# Altium PCB Lombardo_RevB.PcbDoc (part 1 of 2) (continued)
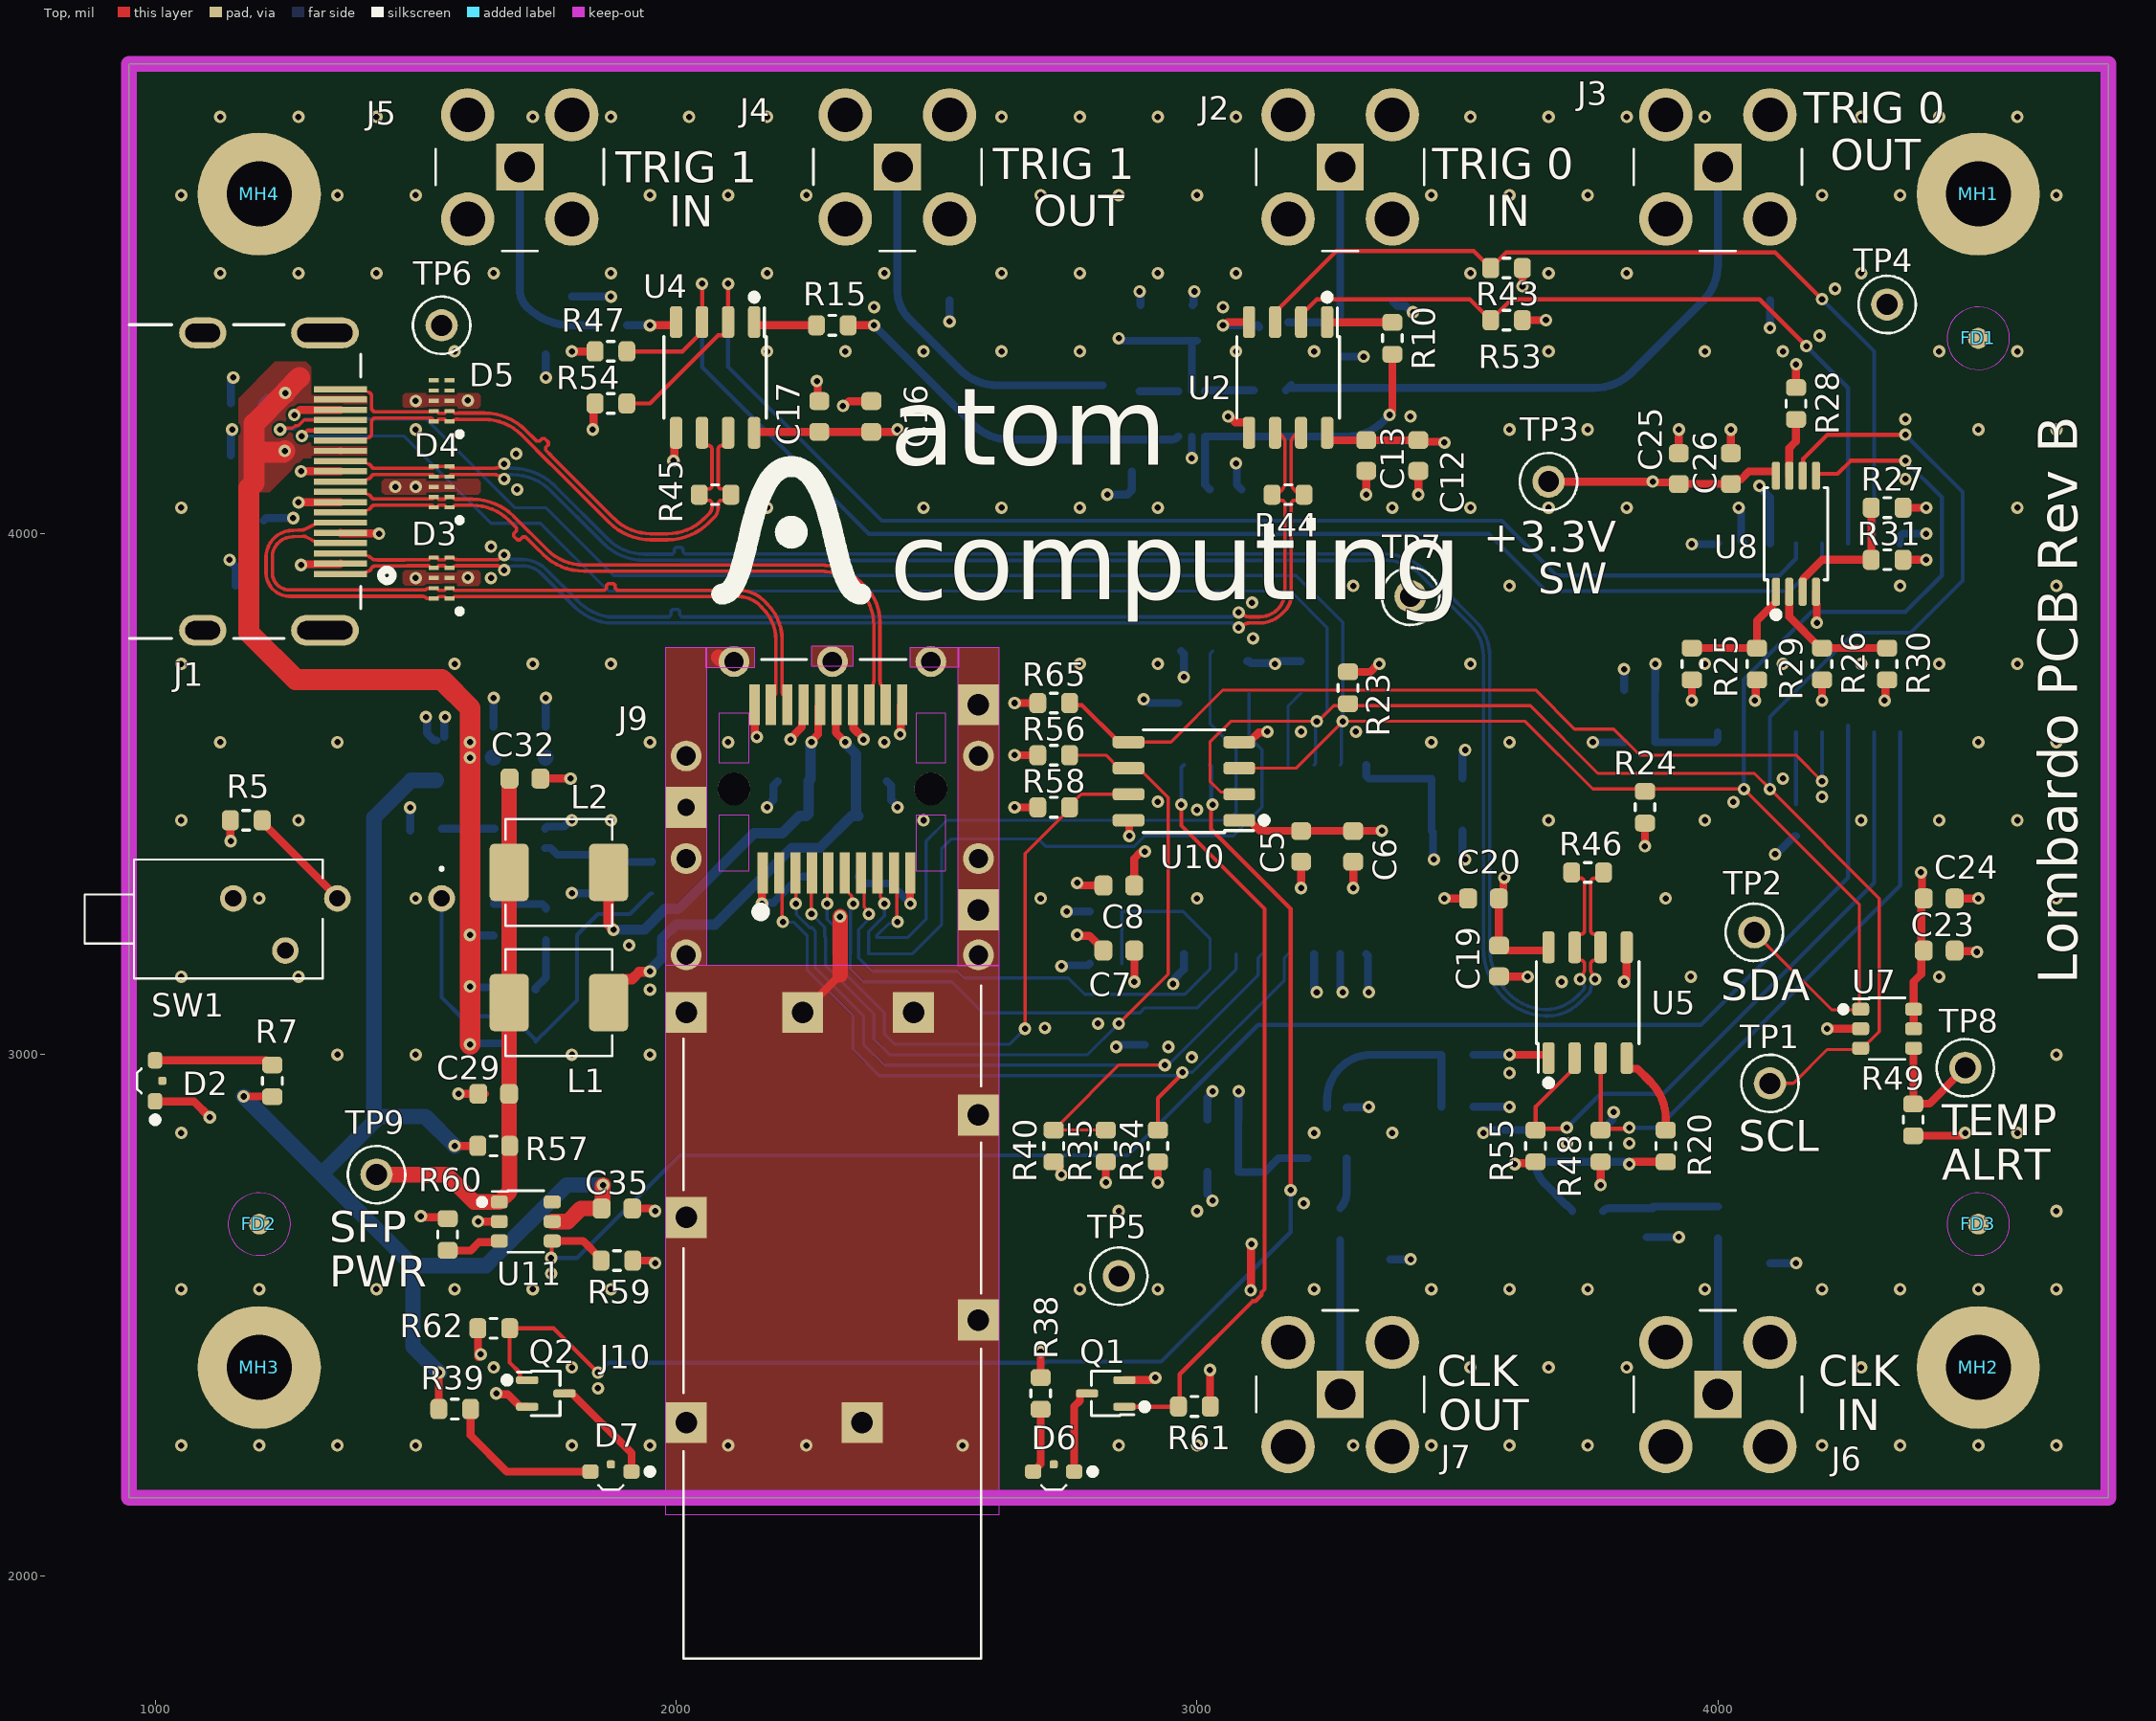
[diagram p0: Top view]
## Design rules (kind name [scope] priority, off if disabled: settings) (continued)
Width Width_P-G [InNetClass('P-G')] p2: maxlimit=50 minlimit=15 preferedwidth=15 minimp=50.000000 maximp=50.000000 favimp=50.000000
Width [All] p3: maxlimit=15 minlimit=5 preferedwidth=8 minimp=50.000000 maximp=50.000000 favimp=50.000000
16 further rules are at their usual default settings.

## Classes and differential pairs
net class DIFFP: HDMI_MGT_CLK_P HDMI_MGT_RX_P HDMI_MGT_TX_P HDMI_TRIGGER_0_P HDMI_TRIGGER_1_P
net class DIFFN: HDMI_MGT_CLK_N HDMI_MGT_RX_N HDMI_MGT_TX_N HDMI_TRIGGER_0_N HDMI_TRIGGER_1_N
net class 50OHM: HDMI_MGT_CLK_IN HDMI_MGT_CLK_IN_TERM HDMI_MGT_CLK_OUT HDMI_MGT_CLK_OUT_BUF HDMI_TRIGGER_0_IN HDMI_TRIGGER_0_OUT HDMI_TRIGGER_0_OUT_BUF HDMI_TRIGGER_1_IN HDMI_TRIGGER_1_OUT HDMI_TRIGGER_1_OUT_BUF NetC18_2 NetR9_1 NetR10_1 NetR12_1 NetR13_1 NetR14_1 NetR15_1 NetR20_1 NetR21_1 NetR22_1
differential pair class 100DIFF: HDMI_MGT_CLK HDMI_MGT_CLK_C HDMI_MGT_RX HDMI_MGT_RX_C HDMI_MGT_TX HDMI_MGT_TX_C HDMI_TRIGGER_0 HDMI_TRIGGER_1
net class P-G: +3.3V +3.3V_SW GND NetC29_1 NetC30_1 NetC33_1 SH_GND
component class SFP_TEMP_EEPROM_GPIO: C5 C6 C7 C8 C23 C24 C25 C26 C27 C28 C29 C30 C31 C32 C33 C34 C35 C415 C416 D6 D7 D14 J9 J10 L1 L2 Q1 Q2 R23 R24 R25 R26 R27 R28 R29 R30 R31 R32 R33 R34 R35 R36 R37 R38 R39 R40 R41 R42 R49 R56 R57 R58 R59 R60 R61 R62 R64 R65 R539 TP8 TP9 U7 U8 U9 U10 U11 U46
component class HDMI_CONN_POWER_IN: C1 C2 C3 C4 C9 C10 C11 D1 D2 D3 D4 D5 J1 R1 R2 R3 R4 R5 R6 R7 R8 SW1 TP1 TP2 TP3 TP4 TP5 TP6 TP7 U1
component class CLOCK_TRIGGER_BUF_SMA: C12 C13 C14 C15 C16 C17 C18 C19 C20 C21 C22 C36 C37 C38 C39 C40 C41 D8 D9 D10 D11 D12 D13 J2 J3 J4 J5 J6 J7 R9 R10 R11 R12 R13 R14 R15 R16 R17 R18 R19 R20 R21 R22 R43 R44 R45 R46 R47 R48 R50 R51 R52 R53 R54 R55 R63 U2 U3 U4 U5 U6
component class BLOCK_DIAGRAM_TABLE_OF_SHEETS: FD1 FD2 FD3 FD4 FD5 FD6 MH1 MH2 MH3 MH4
differential pair HDMI_MGT_CLK: +HDMI_MGT_CLK_P -HDMI_MGT_CLK_N
differential pair HDMI_TRIGGER_1: +HDMI_TRIGGER_1_P -HDMI_TRIGGER_1_N
differential pair HDMI_TRIGGER_0: +HDMI_TRIGGER_0_P -HDMI_TRIGGER_0_N
differential pair HDMI_MGT_TX: +HDMI_MGT_TX_P -HDMI_MGT_TX_N
differential pair HDMI_MGT_RX: +HDMI_MGT_RX_P -HDMI_MGT_RX_N

## Components (designator, comment, footprint, x,y, rotation, side; value= is the part's Value field where it differs from the comment)
C1 "1µF" CAPC160X80X95L35 1175,4150 r180 bottom
C2 "100nF" CAPC160X80X95L35 1175,4250 r180 bottom
C3 "1nF" CAPC160X80X95L35 1125,3900 r0 bottom
C4 "100nF" CAPC160X80X95L35 1853.9,3340 r270 bottom
C5 "100nF" CAPC160X80X95L35 3200,3400 r270 top
C6 "1µF" CAPC160X80X95L35 3300,3400 r270 top
C7 "1µF" CAPC160X80X95L35 2850,3200 r180 top
C8 "100nF" CAPC160X80X95L35 2850,3325 r180 top
C9 "1µF" CAPC160X80X95L35 1650,3600 r90 bottom
C10 "100nF" CAPC160X80X95L35 1750,3600 r90 bottom
C11 "DNP" CAPC200X125X145L50 1540,3560 r90 bottom value=100p
C12 "1µF" CAPC160X80X95L35 3425,4150 r270 top
C13 "100nF" CAPC160X80X95L35 3325,4150 r270 top
C14 "1µF" CAPC160X80X95L35 2900,4400 r90 bottom
C15 "100nF" CAPC160X80X95L35 3000,4400 r90 bottom
C16 "1µF" CAPC160X80X95L35 2375,4225 r90 top
C17 "100nF" CAPC160X80X95L35 2275,4225 r90 top
C18 "100nF" CAPC160X80X95L35 3750,2700 r0 bottom
C19 "1µF" CAPC160X80X95L35 3580,3180 r270 top
C20 "100nF" CAPC160X80X95L35 3550,3300 r180 top
C21 "1µF" CAPC160X80X95L35 3050,2875 r180 bottom
C22 "100nF" CAPC160X80X95L35 3050,2775 r180 bottom
C23 "100nF" CAPC160X80X95L35 4425,3200 r0 top
C24 "1µF" CAPC160X80X95L35 4425,3300 r0 top
C25 "10nF" CAPC160X80X95L35 3925,4125 r90 top
C26 "1µF" CAPC160X80X95L35 4025,4125 r90 top
C27 "100nF" CAPC160X80X95L35 3850,3600 r180 bottom
C28 "1µF" CAPC160X80X95L35 3850,3700 r180 bottom
C29 "100nF" CAPC160X80X95L35 1650,2925 r180 top
C30 "22µF" CAPC320X160X90L50 2350,3400 r270 bottom
C31 "100nF" CAPC160X80X95L35 2375,3525 r0 bottom
C32 "100nF" CAPC160X80X95L35 1710,3530 r0 top
C33 "22µF" CAPC320X160X90L50 2250,3400 r270 bottom
C34 "100nF" CAPC160X80X95L35 2225,3525 r180 bottom
C35 "1µF" CAPC160X80X95L35 1886.52,2705 r0 top
C36 "1nF" CAPC160X80X95L35 3375,4475 r90 bottom
C37 "1nF" CAPC160X80X95L35 4100,4475 r90 bottom
C38 "1nF" CAPC160X80X95L35 2525,4477.4 r90 bottom
C39 "1nF" CAPC160X80X95L35 1800,4485 r90 bottom
C40 "1nF" CAPC160X80X95L35 4100,2575 r270 bottom
C41 "1nF" CAPC160X80X95L35 3375,2575 r270 bottom
C415 "100nF" CAPC160X80X95L35 3480,3530 r0 bottom
C416 "1µF" CAPC160X80X95L35 3480,3430 r180 bottom
D1 "RED" LEDSC80X160X55L40X70_C1A2 1750,3250 r270 bottom
D2 "HSME-C120" BROADCOM_HSMX-C120 1000,2950 r270 top value=GREEN
D3 "PUSB3AB4Z" NEXPERIA_PUSB3AB4Z 1550,3915 r180 top
D4 "PUSB3AB4Z" NEXPERIA_PUSB3AB4Z 1550,4090 r180 top
D5 "PUSB3AB4Z" NEXPERIA_PUSB3AB4Z 1550,4255 r180 top
D6 "GREEN" BROADCOM_HSMX-C120 2725,2200 r0 top
D7 "AMBER" BROADCOM_HSMX-C120 1875,2200 r0 top
D8 "PESD3V3Z1BCSFYL" DIO_PESD5V0R1BSFYL 3285,4500 r180 bottom
D9 "PESD3V3Z1BCSFYL" DIO_PESD5V0R1BSFYL 4010,4500 r180 bottom
D10 "PESD3V3Z1BCSFYL" DIO_PESD5V0R1BSFYL 2435,4500 r180 bottom
D11 "PESD3V3Z1BCSFYL" DIO_PESD5V0R1BSFYL 1710,4500 r180 bottom
D12 "PESD3V3Z1BCSFYL" DIO_PESD5V0R1BSFYL 4010,2552 r180 bottom
D13 "PESD3V3Z1BCSFYL" DIO_PESD5V0R1BSFYL 3285,2552 r180 bottom
D14 "DT1240A-08LP3810-7" DIODES_DT1240A-08LP3810-7 2318.5,3209.25 r270 bottom
FD1 "FIDUCIAL" FIDUCIAL-GT 4500,4375 r0 top
FD2 "FIDUCIAL" FIDUCIAL-GT 1200,2675 r0 top
FD3 "FIDUCIAL" FIDUCIAL-GT 4500,2675 r0 top
FD4 "FIDUCIAL" FIDUCIAL-GT 4500,4375 r180 bottom
FD5 "FIDUCIAL" FIDUCIAL-GT 4500,2675 r180 bottom
FD6 "FIDUCIAL" FIDUCIAL-GT 1200,2675 r180 bottom
J1 "2086581061" MOLEX_2086581061 950,4100 r270 top
J2 "132203" Amphenol_132203 3275,4950 r270 top locked
J3 "132203" Amphenol_132203 4000,4950 r270 top locked
J4 "132203" Amphenol_132203 2425,4950 r270 top locked
J5 "132203" Amphenol_132203 1700,4950 r270 top locked
J6 "132203" Amphenol_132203 4000,2102 r90 top
J7 "132203" Amphenol_132203 3275,2102 r90 top
J9 "UE76-A20-2000T" AMPHENOL_UX76-A20-X00XX 2300.2,3510.4 r0 top
J10 "2110304-1" TE_2110304-1_NO_KEEPOUT 2300,3475 r90 top
L1 "4.7µH" VISHAY_IHLP-2020BZ 1775,3100 r0 top
L2 "4.7µH" VISHAY_IHLP-2020BZ 1775,3350 r0 top
MH1 "HOLE- #4" "HOLE - #4 screw" 4500,4652 r0 top locked
MH2 "HOLE- #4" "HOLE - #4 screw" 4500,2400 r0 top locked
MH3 "HOLE- #4" "HOLE - #4 screw" 1200,2400 r0 top locked
MH4 "HOLE- #4" "HOLE - #4 screw" 1200,4652 r0 top locked
Q1 "BSS138W" SOT23-3P65_210X110L36X22 2825,2350 r90 top
Q2 "BSS138W" SOT23-3P65_210X110L36X22 1750,2350 r270 top
R1 "100k" RESC160X85X55L30 1700,3025 r180 bottom
R2 "100" RESC160X85X55L30 1700,3125 r180 bottom
R3 "100k" RESC160X85X55L30 1650,3258.9 r270 bottom
R4 "1M" RESC320X160X76L51 1150,4025 r180 bottom
R5 "0" RESC160X85X55L30 1175,3450 r180 top
R6 "23.2k" RESC160X85X55L30 1520,3430 r0 bottom
R7 "100" RESC160X85X55L30 1225,2950 r270 top
R8 "10k" RESC160X85X55L30 1953.9,3340 r90 bottom
R9 "0" RESC160X85X55L30 3150,4400 r0 bottom
R10 "0" RESC160X85X55L30 3375,4375 r270 top
R11 "10k" RESC160X85X55L30 3275,4375 r90 bottom
R12 "0" RESC160X85X55L30 3140,4275 r0 bottom
R13 "0" RESC160X85X55L30 2850,4285 r180 bottom
R14 "0" RESC160X85X55L30 1875,4400 r180 bottom
R15 "0" RESC160X85X55L30 2300,4400 r0 top
R16 "10k" RESC160X85X55L30 1750,4375 r90 bottom
R17 "1k" RESC160X85X55L30 3650,2825 r90 bottom
R18 "1k" RESC160X85X55L30 3775,2825 r270 bottom
R19 "10k" RESC160X85X55L30 3875,2675 r90 bottom
R20 "0" RESC160X85X55L30 3900,2825 r270 top
R21 "0" RESC160X85X55L30 3500,3000 r180 bottom
R22 "0" RESC160X85X55L30 3275,2678.29 r270 bottom
R23 "10k" RESC160X85X55L30 3290,3704.37 r90 top
R24 "10k" RESC160X85X55L30 3860,3475 r270 top
R25 "DNP" RESC160X85X55L30 3950,3750 r90 top
R26 "DNP" RESC160X85X55L30 4200,3750 r90 top
R27 "0" RESC160X85X55L30 4325,4050 r0 top
R28 "10k" RESC160X85X55L30 4150,4250 r270 top
R29 "0" RESC160X85X55L30 4075,3750 r90 top
R30 "0" RESC160X85X55L30 4325,3750 r90 top
R31 "DNP" RESC160X85X55L30 4325,3950 r0 top
R32 "4.7k" RESC160X85X55L30 2825,3275 r180 bottom
R33 "4.7k" RESC160X85X55L30 3000,3775 r180 bottom
R34 "4.7k" RESC160X85X55L30 2925,2825 r270 top
R35 "4.7k" RESC160X85X55L30 2825,2825 r270 top
R36 "4.7k" RESC160X85X55L30 2900,3050 r270 bottom
R37 "4.7k" RESC160X85X55L30 3100,3725 r90 bottom
R38 "220" RESC160X85X55L30 2700,2350 r90 top
R39 "280" RESC160X85X55L30 1575,2320 r180 top
R40 "DNP" RESC160X85X55L30 2725,2825 r90 top
R41 "DNP" RESC160X85X55L30 2825,3175 r0 bottom
R42 "DNP" RESC160X85X55L30 2994.49,3675 r0 bottom
R43 "10k" RESC160X85X55L30 3594.37,4510 r180 top
R44 "100" RESC160X85X55L30 3175,4075 r180 top
R45 "100" RESC160X85X55L30 2075,4075 r180 top
R46 "100" RESC160X85X55L30 3750,3350 r0 top
R47 "10k" RESC160X85X55L30 1875,4350 r0 top
R48 "10k" RESC160X85X55L30 3775,2825 r90 top
R49 "10k" RESC160X85X55L30 4375,2875 r270 top
R50 "10k" RESC160X85X55L30 3050,4085 r180 bottom
R51 "10k" RESC160X85X55L30 2875,4150 r90 bottom
R52 "10k" RESC160X85X55L30 3500,2900 r180 bottom
R53 "10k" RESC160X85X55L30 3594.37,4410 r0 top
R54 "10k" RESC160X85X55L30 1875,4250 r180 top
R55 "10k" RESC160X85X55L30 3650,2825 r270 top
R56 "10k" RESC160X85X55L30 2725,3575 r180 top
R57 "DNP" RESC160X85X55L30 1650,2825 r180 top
R58 "10k" RESC160X85X55L30 2725,3475 r180 top
R59 "10k" RESC160X85X55L30 1886.52,2605 r0 top
R60 "52.3k" RESC160X85X55L30 1561.52,2655 r270 top
R61 "10k" RESC160X85X55L30 2995,2325 r180 top
R62 "10k" RESC160X85X55L30 1650,2475 r0 top
R63 "0" RESC160X85X55L30 4000,2675 r270 bottom
R64 "10k" RESC160X85X55L30 4150,3450 r270 bottom
R65 "10k" RESC160X85X55L30 2725,3675 r0 top
R539 "10k" RESC160X85X55L30 3200,3725 r90 bottom
SW1 "AS11AV" AS11AV 1550,3300 r270 top
TP1 "White" Keystone_5002 4100,2945 r0 top
TP2 "White" Keystone_5002 4070,3235 r0 top
TP3 "Red" Keystone_5000 3675,4100 r0 top
TP4 "Black" Keystone_5001 4325,4440 r0 top
TP5 "Black" Keystone_5001 2850,2575 r0 top
TP6 "Black" Keystone_5001 1550,4400 r0 top
TP7 "Black" Keystone_5001 3410,3880 r0 top
TP8 "White" Keystone_5002 4475,2975 r0 top
TP9 "White" Keystone_5002 1425,2770 r270 top
U1 "TPS2553DBVR" SOT23-6P95_280X145L45X37 1700,3433.9 r270 bottom
U2 "SN65LVDM176DR" SOIC8P127_490X599X175L84X41 3175,4300 r180 top
U3 "SN74LVC2G34DCKR" SOT23-6P65_210X110L36X23 2990,4230 r180 bottom
U4 "SN65LVDM176DR" SOIC8P127_490X599X175L84X41 2075,4300 r180 top
U5 "SN65MLVD201DR" SOIC8P127_490X599X175L84X41 3750,3100 r0 top
U6 "SN74LVC1G34DBVR" SOT23-5P95_280X110L45X40 3250,2850 r0 bottom
U7 "MAX6626PMUT+T" SOT23-6P95_280X145L45X42 4325,3050 r270 top
U8 "AT24MAC402-XHM-B" SOP8P65_300X640X120L60X24 4150,4000 r0 top
U9 "PCA9554AD,118" SOIC16P127_1030X1032X265L83X42 4175,3800 r0 bottom
U10 "TCA9517DR" SOIC8P127_490X599X175L84X41 2975,3525 r90 top
U11 "MAX4995BAUT+T" SOT23-6P95_280X145L45X42 1711.52,2680 r270 top
U46 "PCA9554AD,118" SOIC16P127_1030X1032X265L83X42 3150,3375 r180 bottom

## Footprints (in the part's own frame and the unit in brackets; to place one, negate y for a bottom-side part, rotate by r counter-clockwise, add the part's x,y. Pads: shape width x height; smd on the part's side, far side on the other; paste and mask are expansions set on the pad)
Amphenol_132203 [mm]
  rect 2.3x2.3 hole 1.5: 1(6.25,0)
  round 2.6 hole 1.7: 2(3.71,2.54) 3(8.79,2.54) 4(3.71,-2.54) 5(8.79,-2.54)
  silkscreen extent 5.39,-4.1 10.35,4.1, body extent -10.25,-5.09 10.25,5.09, height 11.46
AMPHENOL_UX76-A20-X00XX [mm]
  rect 0.5x2 smd: 1(-3.4,-4.1) 2(-2.6,-4.1) 3(-1.8,-4.1) 4(-1,-4.1) 5(-0.2,-4.1) 6(0.6,-4.1) 7(1.4,-4.1) 8(2.2,-4.1) 9(3,-4.1) 10(3.8,-4.1) 11(3.4,4.1) 12(2.6,4.1) 13(1.8,4.1) 14(1,4.1) 15(0.2,4.1) 16(-0.6,4.1) 17(-1.4,4.1) 18(-2.2,4.1) 19(-3,4.1) 20(-3.8,4.1)
  round 1.6 hole 1.6 unplated: ""(-4.8,0) ""(4.8,0)
  Top keep-out region: 5.5,-4.01 4.1,-4.01 4.1,-1.26 5.5,-1.26
  Top keep-out region: 5.5,1.26 4.1,1.26 4.1,3.71 5.5,3.71
  Top keep-out region: -4.1,1.26 -5.5,1.26 -5.5,3.71 -4.1,3.71
  Top keep-out region: -4.1,-4.01 -5.5,-4.01 -5.5,-1.26 -4.1,-1.26
  silkscreen extent -3.7,-6.2 -3.3,-5.8, body extent -5.5,-4.49 5.5,4.4, height 5.25
AS11AV [mm]
  round 1.3 hole 0.8: 1(0,0) 3(0,-5.08) MH1(2.54,-7.62) MH2(0,-10.16)
  silkscreen extent -1.9,-17.4 3.9,0.05, body extent -1.85,-17.45 3.84,0.3, height 10.22
BROADCOM_HSMX-C120 [mm] "LED, Side Concave Package; 2 pin, 0.60 mm L X 1.60 mm W X 1.00 mm H body"
  rrect50% 0.8x0.7 smd: 1(1,0) 2(-1,0)
  rrect50% 0.4x0.4 smd: MP1(0,0.35)
  silkscreen extent -0.6,-0.89 2.05,0.16, body extent -0.85,-0.8 0.85,0.3, height 0.7
CAPC160X80X95L35 [mm] "Capacitor, Chip; 1.60 mm L X 0.80 mm W X 0.95 mm H body"
  rrect51% 0.87x0.97 smd: 1(-0.75,0) 2(0.75,0)
  body extent -0.8,-0.4 0.8,0.4, height 0.95
CAPC200X125X145L50 [mm] "Capacitor, Chip; 2.00 mm L X 1.25 mm W X 1.45 mm H body"
  rrect45% 1.11x1.47 smd: 1(-0.85,0) 2(0.85,0)
  body extent -1,-0.63 1,0.63, height 1.45
CAPC320X160X90L50 [mm] "Capacitor, Chip; 3.20 mm L X 1.60 mm W X 0.90 mm H body"
  rrect43% 1.16x1.82 smd: 1(-1.475,0) 2(1.475,0)
  silkscreen extent -0.7,-0.9 0.7,0.9, body extent -1.6,-0.8 1.6,0.8, height 0.9
DIO_PESD5V0R1BSFYL [mm]
  rect 0.2x0.28 smd paste-1: 1(-0.2,0) 2(0.2,0)
  silkscreen extent -0.86,-0.1 -0.66,0.1, body extent -0.3,-0.15 0.3,0.15, height 0.33
DIODES_DT1240A-08LP3810-7 [mm]
  rect 0.5x0.3 smd: 1(-0.4,1.7) 2(-0.4,0.8) 3(-0.4,0) 4(-0.4,-0.8) 5(-0.4,-1.7) 6(0.4,-1.3) 7(0.4,-0.4) 8(0.4,0.4) 9(0.4,1.3)
  silkscreen extent -1.34,-2.06 0.65,2.06, body extent -0.5,-1.9 0.5,1.9, height 0.5
FIDUCIAL-GT [mil]
  round 40 smd paste-40 mask+40: 1(0,0)
  Top keep-out circle w1: c0,0 r60
"HOLE - #4 screw" [mm]
  round 6 hole 3.175: 1(0,0)
Keystone_5000 [mm]
  round 1.57 hole 1.02: 1(0,0)
  silkscreen extent -1.4,-1.4 1.4,1.4, body extent -1.27,-1.26 1.27,1.26, height 4.58
Keystone_5001 [mm]
  round 1.57 hole 1.016: 1(0,0)
  silkscreen extent -1.4,-1.4 1.4,1.4, body extent -1.27,-1.27 1.27,1.27, height 4.72
Keystone_5002 [mm]
  round 1.57 hole 1.02: 1(0,0)
  silkscreen extent -1.4,-1.4 1.4,1.4, body extent -1.27,-1.26 1.27,1.26, height 4.6
LEDSC80X160X55L40X70_C1A2 [mm] "LED, Side Concave Package; 2 pin, 0.80 mm L X 1.60 mm W X 0.55 mm H body"
  rrect50% 0.865x0.72 smd: 1(-0.767,0) 2(0.767,0)
  silkscreen extent -1.86,-0.54 0.82,0.54, body extent -0.8,-0.4 0.8,0.4, height 0.55
MOLEX_2086581061 [mm]
  rect 0.3x2.6 smd mask+0.064: 1(4.5,10.31) 2(4,10.31) 3(3.5,10.31) 4(3,10.31) 5(2.5,10.31) 6(2,10.31) 7(1.5,10.31) 8(1,10.31) 9(0.5,10.31) 10(0,10.31) 11(-0.5,10.31) 12(-1,10.31) 13(-1.5,10.31) 14(-2,10.31) 15(-2.5,10.31) 16(-3,10.31) 17(-3.5,10.31) 18(-4,10.31) 19(-4.5,10.31)
  oval 1.5x3.3 hole 0.9 slot 2.7 at 90 deg mask+0.064: SH1(7.25,9.55) SH2(-7.25,9.55)
  oval 1.5x2.3 hole 0.9 slot 1.7 at 90 deg mask+0.064: SH3(7.25,3.59) SH4(-7.25,3.59)
  silkscreen extent -7.65,0 7.65,12.86, body extent -7.5,-1 7.5,11.15, height 6.26
NEXPERIA_PUSB3AB4Z [mm]
  rect 0.475x0.2 smd: 1(-0.387,1) 2(-0.387,0.5) 3(-0.387,0) 4(-0.387,-0.5) 5(-0.387,-1) 6(0.387,-1) 7(0.387,-0.5) 8(0.387,0) 9(0.387,0.5) 10(0.387,1)
  silkscreen extent -1,1.5 -0.75,1.75, body extent -0.5,-1.25 0.5,1.25, height 0.48
RESC160X85X55L30 [mm] "Resistor, Chip; 1.60 mm L X 0.85 mm W X 0.55 mm H body"
  rrect51% 0.82x0.98 smd: 1(-0.775,0) 2(0.775,0)
  silkscreen extent -0.17,-0.48 0.17,0.48, body extent -0.8,-0.43 0.8,0.43, height 0.55
RESC320X160X76L51 [mm] "Resistor, Chip; 3.20 mm L X 1.60 mm W X 0.76 mm H body"
  rrect46% 1.09x1.75 smd: 1(-1.48,0) 2(1.48,0)
  silkscreen extent -0.74,-0.87 0.74,0.87, body extent -1.6,-0.8 1.6,0.8, height 0.76
SOIC8P127_490X599X175L84X41 [mm] "Small Outline IC (SOIC), 1.27 mm pitch; 8 pin, 4.905 mm L X 3.895 mm W X 1.75 mm H body"
  rrect50% 0.6x1.55 smd: 1(-1.905,-2.7) 2(-0.635,-2.7) 3(0.635,-2.7) 4(1.905,-2.7) 5(1.905,2.7) 6(0.635,2.7) 7(-0.635,2.7) 8(-1.905,2.7)
  silkscreen extent -2.5,-4.07 2.5,1.99, body extent -2.45,-3 2.45,3, height 1.75
SOIC16P127_1030X1032X265L83X42 [mm] "Small Outline IC (SOIC), 1.27 mm pitch; 16 pin, 10.30 mm L X 7.50 mm W X 2.65 mm H body"
  rrect49% 0.65x2.15 smd: 1(-4.445,-4.605) 2(-3.175,-4.605) 3(-1.905,-4.605) 4(-0.635,-4.605) 5(0.635,-4.605) 6(1.905,-4.605) 7(3.175,-4.605) 8(4.445,-4.605) 9(4.445,4.605) 10(3.175,4.605) 11(1.905,4.605) 12(0.635,4.605) 13(-0.635,4.605) 14(-1.905,4.605) 15(-3.175,4.605) 16(-4.445,4.605)
  silkscreen extent -5.25,-6.28 5.25,3.8, body extent -5.15,-5.16 5.15,5.16, height 2.65
SOP8P65_300X640X120L60X24 [mm] "Small Outline Pkg (SOP), 0.65 mm pitch; 8 pin, 3.00 mm L X 4.40 mm W X 1.20 mm H body"
  rrect51% 0.39x1.36 smd: 1(-0.975,-2.83) 2(-0.325,-2.83) 3(0.325,-2.83) 4(0.975,-2.83) 5(0.975,2.83) 6(0.325,2.83) 7(-0.325,2.83) 8(-0.975,2.83)
  silkscreen extent -1.55,-4.11 1.55,2.25, body extent -1.5,-3.2 1.5,3.2, height 1.2
SOT23-3P65_210X110L36X22 [mm] "Small Outline Transistor (SOT23), 0.65 mm pitch; 3 pin, 2.00 mm L X 1.25 mm W X 1.10 mm H body"
  rrect53% 0.38x1.09 smd: 1(-0.65,-0.91) 2(0.65,-0.91) 3(0,0.91)
  silkscreen extent -1.08,-2.05 1.08,0.7, body extent -1,-1.05 1,1.05, height 1.1
SOT23-5P95_280X110L45X40 [mm] "Small Outline Transistor (SOT23), 0.95 mm pitch; 5 pin, 2.90 mm L X 1.60 mm W X 1.10 mm H body"
  rrect49% 0.61x1.2 smd: 1(-0.95,-1.23) 2(0,-1.23) 3(0.95,-1.23) 4(0.95,1.23) 5(-0.95,1.23)
  silkscreen extent -1.53,-2.43 1.53,0.88, body extent -1.45,-1.4 1.45,1.4, height 1.1
SOT23-6P65_210X110L36X23 [mm] "Small Outline Transistor, SOT-23 Type, 0.65 mm pitch; 6 pin, 2.00 mm L X 1.25 mm W X 1.10 mm H body"
  rrect50% 0.35x0.85 smd: 1(-0.65,-1.1) 2(0,-1.1) 3(0.65,-1.1) 4(0.65,1.1) 5(0,1.1) 6(-0.65,1.1)
  silkscreen extent -1.07,-2.1 1.07,0.7, body extent -1,-1.05 1,1.05, height 1.1
SOT23-6P95_280X145L45X37 [mm] "Small Outline Transistor (SOT23), 0.95 mm pitch; 6 pin, 2.90 mm L X 1.60 mm W X 1.45 mm H body"
  rrect50% 0.6x1.16 smd: 1(-0.95,-1.23) 2(0,-1.23) 3(0.95,-1.23) 4(0.95,1.23) 5(0,1.23) 6(-0.95,1.23)
  silkscreen extent -1.53,-2.41 1.53,0.88, body extent -1.45,-1.4 1.45,1.4, height 1.45
SOT23-6P95_280X145L45X42 [mm] "Small Outline Transistor, SOT-23 Type, 0.95 mm pitch; 6 pin, 2.90 mm L X 1.625 mm W X 1.45 mm H body"
  rrect50% 0.637x0.832 smd: 1(-0.95,-1.292) 2(0,-1.292) 3(0.95,-1.292) 4(0.95,1.292) 5(0,1.292) 6(-0.95,1.292)
  silkscreen extent -1.5,-2.28 1.5,0.87, body extent -1.45,-1.4 1.45,1.4, height 1.45
TE_2110304-1_NO_KEEPOUT [mm] "Same as TE_2110304 but keepout area is only to show where chassis ground should go"
  rect 2x2 hole 0.85: 1(0,7.125)
  round 1.5 hole 0.95: 2(2.5,7.125) 3(-2.5,7.125) 4(7.1,4.795) 5(7.1,-0.005) 6(7.1,-4.805) 8(2.5,-7.125) 9(-2.5,-7.125) 11(-7.2,-7.125) 15(-7.2,7.125)
  rect 2x2 hole 1.05: 7(5,-7.125) 10(-5,-7.125) 12(-10,-3.955) 13(-10,1.445) 14(-10,7.125) 16(-20,7.125) 17(-30,7.125) 18(-30,-1.455) 19(-25,-7.125) 20(-15,-7.125)
  Top keep-out region: -7.7,-8.127 -34.508,-8.127 -34.508,8.125 -7.7,8.125
  Top keep-out region: 7.8,6.133 -7.709,6.133 -7.709,8.125 7.8,8.125
  Top keep-out region: 7.8,3.792 6.803,3.792 6.803,6.15 7.8,6.15
  Top keep-out region: 7.861,-1.004 6.87,-1.004 6.87,0.994 7.861,0.994
  Top keep-out region: 7.8,-8.128 -7.73,-8.128 -7.73,-6.125 7.8,-6.125
  Top keep-out region: 7.8,-6.158 6.809,-6.158 6.809,-3.8 7.8,-3.8
  silkscreen extent -41.5,-7.25 7.2,7.25, body extent -41.47,-7.89 7.22,7.89, height 10.09
VISHAY_IHLP-2020BZ [mm] "Inductor, Molded Body; 5.18 mm L X 5.18 mm W X 3.00 mm H body"
  rrect25% 1.905x2.79 smd: 1(-2.425,0) 2(2.425,0)
  silkscreen extent -2.6,-2.6 2.6,2.6, body extent -2.75,-2.59 2.75,2.59, height 3

## Part data
C1 C6 C7 C9 C12 C14 C16 C19 C21 C24 C26 C28 C35: library part CMP-001-00135-7, "CAP CER 1uF 10V 10% 0603", Case/Package=0603, Op Temp="-55°C ~ 85°C", Temp Coeff=X5R, Tolerance=10%, Voltage=10V, Mfg=Kemet, Mfg PN=C0603C105K8PACTU, Pins=2
C2 C4 C5 C8 C10 C13 C15 C17 C18 C20 C22 C23 C27 C29 C31 C32 C34 C415: library part CMP-001-00143-7, "CAP CER 0.1UF 25V X7R 0603", Case/Package=0603, Temp Coeff=X7R, Tolerance=10%, Voltage=25V, Mfg=Kemet, Mfg PN=C0603X104K3RACTU, Pins=2
C3 C36 C37 C38 C39 C40 C41: library part CMP-001-00209-7, "CAP CER 1000PF 50V C0G/NPO 0603", Case/Package=0603, Temp Coeff=C0G/NP0, Tolerance=5%, Voltage=50V, Mfg=Yageo, Mfg PN=CC0603JRNPO9BN102, Pins=2
C11: library part CMP-001-00017-8, "DNP, CAP 0805", Case/Package=0805, Mfg=DNP, Mfg PN=DNP_CAP_0805, Pins=2
C25: library part CMP-001-00168-8, "CAP CER 10000PF 50V C0G 0603", Case/Package=0603, Temp Coeff=C0G/NP0, Tolerance=5%, Voltage=50V, Mfg="TDK Corporation", Mfg PN=C1608C0G1H103J080AA, Pins=2
C30 C33: library part CMP-001-00066-8, "CAP CER 22UF 10V X7R 1206", Case/Package=1206, Temp Coeff=X7R, Tolerance=10%, Voltage=10V, Mfg=MURATA, Mfg PN=GRM31CR71A226KE15L, Pins=2
C416: library part CMP-001-00173-8, "±10% 35V Ceramic Capacitor X7R 0603 (1608 Metric)", Case/Package=0603, Temp Coeff=X7R, Mfg="TDK Corporation", Mfg PN=C1608X7R1V105K080AE, Pins=2
D1: library part CMP-004-00024-2, "LED RED CLEAR CHIP SMD 629nm, 1.9V, 0603", Case/Package=0603, Current Rating=30mA, Op Temp="-55°C ~ 85°C", Voltage=2V, Mfg="Lite-On Inc.", Mfg PN=LTST-C193KRKT-2A, Pins=2
D2 D6: library part CMP-004-00020-5, "LED GREEN CLEAR CHIP SMD R/A", Case/Package=2-SMD, Forward Voltage=2.1V, Mfg="AVAGO TECHNOLOGIES", Mfg PN=HSME-C120, Mounting Technology="Surface Mount", Nominal Vf=2.1V, Pins=2, RoHS Compliant=Yes
D3 D4 D5: library part CMP-0037-00001-1, "TVS DIODE BIDIRECTIONAL 3.3VWM 5VC DFN2510A-10", Case/Package=10-XFDFN, Current - Peak Pulse="7A (8/20µs)", Max Operating Temperature=85°C, Min Operating Temperature=-40°C, Voltage - Breakdown=5.5V, Voltage - Clamping=5V, Voltage - Reverse Standoff=3.3V, Mfg="Nexperia USA Inc.", Mfg PN=PUSB3AB4Z, Mounting Technology="Surface Mount", Pins=10, RoHS Compliant=Yes
D7: library part CMP-007-00001-2, "LED AMBER CLEAR CHIP SMD R/A 0603", Case/Package=0603, Forward Current=25mA, Forward Voltage=2.4V, Max Operating Temperature=85°C, Min Operating Temperature=-30°C, Mfg="Broadcom Limited", Mfg PN=HSMA-C120, Mounting Technology="Surface Mount", Nominal Vf=1.9V, Pins=2, RoHS Compliant=Yes
D8 D9 D10 D11 D12 D13: library part CMP-037-00000-1, "TVS DIODE 3.3VWM 4.8VC DSN0603-2", Case/Package=0201, Current-Peak Pulse="15A (8/20µs)", Max Operating Temperature=125°C, Min Operating Temperature=-40°C, Voltage-Breakdown=6.8V, Voltage-Clamping=4.8V, Voltage-Reverse Standoff=3.3V, Mfg="Nexperia USA Inc.", Mfg PN=PESD3V3Z1BCSFYL, Mounting Technology="Surface Mount", Pins=2, RoHS Compliant=Yes
D14: library part CMP-0037-00000-1, "TVS DIODE 3.3VWM 10V U-DFN3810-9", Case/Package=9-UDFN, Current - Peak Pulse="5.5A (8/20µs)", Max Operating Temperature=85°C, Min Operating Temperature=-55°C, Voltage - Breakdown=5V, Voltage - Clamping=10V, Voltage - Reverse Standoff=3.3V, Mfg="Diodes Incorporated", Mfg PN=DT1240A-08LP3810-7, Mounting Technology="Surface Mount", Pins=9, RoHS Compliant=Yes
FD1 FD2 FD3 FD4 FD5 FD6: library part CMP-00028-00000-3, "Fiducial", Mfg="PCB FEATURE", Mfg PN=FIDUCIAL, Pins=0
J1: library part CMP-002-00061-4, "HDMI 2.1 Receptacle Connector 19 Position Surface Mount, Right Angle; Through Hole", Case/Package=SMD-RA, Max Current Rating=500mA, Max Operating Temperature=85°C, Min Operating Temperature=-20°C, Voltage Rating=40V, Connector Type=HDMI, Gender=Female, Mfg=Molex, Mfg PN=2086581061, Mounting Technology="Surface Mount/Through Hole", Pins=23, RoHS Compliant=Yes
J2 J3 J4 J5 J6 J7: library part CMP-002-00003-3, "Conn; RF; SMA Rt Angle PCB Jack Thru Hole 50 Ohm Bulkhead", Case/Package="SMA RA", Mfg="Amphenol RF", Mfg PN=132203, Pins=5
J9: library part CMP-002-00059-2, "20 Position SFP+ Receptacle Connector Solder Surface Mount, Right Angle", Case/Package=0.8mm, Connector Type=SFP+, Gender=Female, Mfg="Amphenol ICC (Commercial Products)", Mfg PN=UE76-A20-2000T, Mounting Technology="Surface Mount", Pins=20, RoHS Compliant=Yes
J10: library part CMP-002-00063-3, "Position SFP+ Cage Connector Solder Through Hole, Right Angle", Case/Package=None, Connector Type="SFP+ Cage", Mfg="TE Connectivity AMP Connectors", Mfg PN=2110304-1, Pins=20, RoHS Compliant=Yes
L1 L2: library part CMP-006-00015-5, "FIXED IND 4.7UH 3.2A 81.3 MOHM", Case/Package=SMD, Current Rating=3.2A, Max Operating Temperature=125°C, Min Operating Temperature=-55°C, Saturation Current=3A, Self Resonant Frequency=27MHz, Tolerance=20%, DCR=81.3m, HEIGHT=2.0mm, Mfg="Vishay Dale", Mfg PN=IHLP2020BZER4R7M11, Mounting Technology="Surface Mount", Pins=2
MH1 MH2 MH3 MH4: library part CMP-028-00002-1, "Mounting Hole for #4 screw", Case/Package=#4, Mfg=NA, Mfg PN=HOLE, Pins=1
Q1 Q2: library part CMP-479-000010-1, "MOSFET N-CH 50V 210MA SC70", Current Rating=0.210A, Package=SC70, Voltage=50V, Mfg="ON SEMICONDUCTOR", Mfg PN=BSS138W, Pin Count=3
R1 R3: library part CMP-009-00291-2, "RES SMD 100K OHM 1% 1/10W 0603", Case/Package=0603, Mfg=Yageo, Mfg PN=RC0603FR-07100KL, Pins=2
R2 R7 R44 R45 R46: library part CMP-009-00467-2, "RES SMD 100 OHM 1% 1/10W 0603", Case/Package=0603, Max Operating Temperature=155°C, Min Operating Temperature=-55°C, Power=100mW, Tolerance=1%, Mfg="Panasonic Electronic Components", Mfg PN=ERJ-3EKF1000V, Mounting Technology="Surface Mount", Pins=2, RoHS Compliant=Yes
R4: library part CMP-009-00313-1, "1 ±1% 0.25W, 1/4W Chip Resistor 1206 (3216 Metric) High Voltage Thick Film", Case/Package=1206, Mfg="Vishay Dale", Mfg PN=RCV12061M00FKEA, Pins=2
R5 R9 R10 R12 R13 R14 R15 R20 R21 R22 R27 R29 R30 R63: library part CMP-009-00290-2, "RES 0 OHM JUMPER 1/10W 0603", Case/Package=0603, Mfg=Yageo, Mfg PN=RC0603FR-070RL, Pins=2
R6: library part CMP-009-00553-1, "RES SMD 23.2K OHM 1% 1/10W 0603", Case/Package=0603, Max Operating Temperature=155°C, Min Operating Temperature=-55°C, Power=100mW, Tolerance=1%, Mfg="Panasonic Electronic Components", Mfg PN=ERJ-3EKF2322V, Mounting Technology="Surface Mount", Pins=2, RoHS Compliant=Yes
R8 R11 R16 R19 R23 R24 R28 R43 R47 R48 R49 R50 R51 R52 R53 R54 R55 R56 R58 R59 R61 R62 R64 R65 R539: library part CMP-009-00475-2, "RES SMD 10K OHM 1% 1/10W 0603", Case/Package=0603, Max Operating Temperature=155°C, Min Operating Temperature=-55°C, Power=100mW, Tolerance=1%, Mfg="Panasonic Electronic Components", Mfg PN=ERJ-3EKF1002V, Mounting Technology="Surface Mount", Pins=2, RoHS Compliant=Yes
R17 R18: library part CMP-009-00295-2, "RES SMD 1K OHM 1% 1/10W 0603", Case/Package=0603, Mfg=Yageo, Mfg PN=RC0603FR-071KL, Pins=2
R25 R26 R31 R40 R41 R42 R57: library part CMP-009-00057-4, "DNP, RES 0603", Case/Package=0603, Mfg=DNP, Mfg PN=DNP_RES_0603, Pins=2
R32 R33 R34 R35 R36 R37: library part CMP-009-00307-2, "RES SMD 4.7K OHM 1% 1/10W 0603", Case/Package=0603, Mfg=Yageo, Mfg PN=RC0603FR-074K7L, Pins=2
R38: library part CMP-009-00297-2, "RES SMD 220 OHM 1% 1/10W 0603", Case/Package=0603, Mfg=Yageo, Mfg PN=RC0603FR-07220RL, Pins=2
R39: library part CMP-009-00554-1, "RES SMD 280 OHM 1% 1/10W 0603", Case/Package=0603, Max Operating Temperature=155°C, Min Operating Temperature=-55°C, Power=100mW, Tolerance=1%, Mfg="Panasonic Electronic Components", Mfg PN=ERJ-3EKF2800V, Mounting Technology="Surface Mount", Pins=2, RoHS Compliant=Yes
R60: library part CMP-009-00432-2, "RES SMD 52.3K 0.1% 1/10W 0603", Case/Package=0603, Mfg=Yageo, Mfg PN=RT0603BRD0752K3L, Pins=2
SW1: library part CMP-011-00000-3, "SWITCH SLIDE SPST 0.4VA 28V Through Hole, Right Angle, Vertical", Case/Package=".100\" TH-RA", Current Rating=100mA, Op Temp="-30°C ~ 85°C", Voltage=28V, Mfg="NKK Switches", Mfg PN=AS11AV, Pins=3
TP1 TP2 TP8 TP9: library part CMP-00030-00002-6, "Test Point, White, 1-Pin THD, RoHS, Bulk", Mfg=Keystone, Mfg PN=5002, Pins=1
TP3: library part CMP-00030-00000-6, "Test Point, Red, 1-Pin THD, RoHS, Bulk", Mfg=Keystone, Mfg PN=5000, Pins=1
TP4 TP5 TP6 TP7: library part CMP-00030-00001-5, "Test Point, Black, 1-Pin THD, RoHS, Bulk", Mfg=Keystone, Mfg PN=5001, Pins=1
U1: library part CMP-035-00004-3, "Power Switch/Driver 1:1 N-Channel 1.5A SOT-23-6", Case/Package=SOT-23-6, Max Operating Temperature=85°C, Max Supply Voltage=6.5V, Min Operating Temperature=-40°C, Min Supply Voltage=2.5V, Output Current=1.5A, Mfg="Texas Instruments", Mfg PN=TPS2553DBVR, Mounting Technology="Surface Mount", Pins=6, RoHS Compliant=Yes
U2 U4: library part CMP-015-00015-3, "1/1 Transceiver Half LVDS 8-SOIC", Case/Package=SOP, Max Operating Temperature=85°C, Max Supply Voltage=3.6V, Min Operating Temperature=-40°C, Min Supply Voltage=3V, Nominal Supply Voltage=3.3V, Mfg="Texas Instruments", Mfg PN=SN65LVDM176DR, Mounting Technology="Surface Mount", Pins=8, RoHS Compliant=Yes
U3: library part CMP-016-00001-4, "Buffer, Non-Inverting 2 Element 1 Bit per Element Push-Pull Output SC-70-6", Case/Package=SC-70-6, Frequency=125MHz, Max Operating Temperature=125°C, Max Supply Voltage=5.5V, Min Operating Temperature=-40°C, Min Supply Voltage=1.65V, Logic Type=Buffer, Mfg="Texas Instruments", Mfg PN=SN74LVC2G34DCKR, Mounting Technology="Surface Mount", Pins=6, RoHS Compliant=Yes
U5: library part CMP-015-00016-3, "1/1 Transceiver Half LVDS, Multipoint 8-SOIC", Case/Package=SOP, Max Operating Temperature=85°C, Max Supply Voltage=3.6V, Min Operating Temperature=-40°C, Min Supply Voltage=3V, Nominal Supply Voltage=3.3V, Mfg="Texas Instruments", Mfg PN=SN65MLVD201DR, Mounting Technology="Surface Mount", Pins=8, RoHS Compliant=Yes
U6: library part CMP-016-00004-1, "Buffer, Non-Inverting 1 Element 1 Bit per Element Push-Pull Output SOT-23-5", Case/Package=LSSOP, Max Operating Temperature=125°C, Max Supply Voltage=5.5V, Min Operating Temperature=-40°C, Min Supply Voltage=1.65V, Nominal Supply Voltage=3.3V, Logic Type=BUFFER, Mfg="Texas Instruments", Mfg PN=SN74LVC1G34DBVR, Mounting Technology="Surface Mount", Output Function="Buffer, Non-Inverting", Pins=5, RoHS Compliant=Yes
U7: library part CMP-010-00002-3, "Temperature Sensor Digital, Local -55°C ~ 125°C 12 b SOT-6", Case/Package=SOT-23-6, Max Operating Temperature=125°C, Max Supply Voltage=5.5V, Min Operating Temperature=-55°C, Min Supply Voltage=3V, Mfg=Maxim, Mfg PN=MAX6626PMUT+T, Mounting Technology="Surface Mount", Pins=6, RoHS Compliant=Yes, Sensor Type="TEMPERATURE SENSOR,SWITCH/DIGITAL OUTPUT,SERIAL"
U8: library part CMP-019-00010-2, "IC EEPROM  MAC 48 2KBIT I2C 1MHZ 8TSSOP", Case/Package=TSSOP, Clock Frequency=1MHz, Max Operating Temperature=85°C, Max Supply Voltage=5.5V, Min Operating Temperature=-40°C, Min Supply Voltage=1.7V, Memory Format=EEPROM, Memory Size=256, Mfg="Microchip Technology", Mfg PN=AT24MAC402-XHM-B, Mounting Technology="Surface Mount", Pins=8, RoHS Compliant=Yes
U9 U46: library part CMP-015-00018-4, "I/O GPIO Expander 8 I2C, SMBus 400 kHz 16-SO", Case/Package=16-SOIC, Max Operating Temperature=85°C, Max Supply Voltage=5.5V, Min Operating Temperature=-40°C, Min Supply Voltage=2.3V, Nominal Supply Voltage=3V, Mfg="NXP USA Inc.", Mfg PN=PCA9554AD,118, Mounting Technology="Surface Mount", Pins=16, RoHS Compliant=Yes
U10: library part CMP-015-00020-1, "Voltage Level Translator Bidirectional 1 Circuit 2 Channel 8-SOIC", Case/Package=8-SOIC, Max Operating Temperature=85°C, Max Supply Voltage=5.5V, Min Operating Temperature=-40°C, Min Supply Voltage=900mV, Nominal Supply Voltage=3.3V, Mfg="Texas Instruments", Mfg PN=TCA9517DR, Mounting Technology="Surface Mount", Pins=8, RoHS Compliant=Yes
U11: library part CMP-035-00005-1, "IC CURRENT SWITCH ADJ 10% SOT-23-6", Case/Package=SOT-23-6, Max Operating Temperature=125°C, Max Supply Voltage=5.5V, Min Operating Temperature=-40°C, Min Supply Voltage=1.7V, Mfg="Analog Devices Inc./Maxim Integrated", Mfg PN=MAX4995BAUT+T, Mounting Technology="Surface Mount", Pins=6, RoHS Compliant=Yes

## Via types
v1: diameter 24, hole 12, Top to Bottom, tented top, 409 vias

## Nets (pads, with @x,y where several pads share a name; then routed paths per layer and width w, separated by ;. In a path a pad name is that pad's centre, name@x,y a point inside that pad or via, vN(x,y) a via of type N, cw(c..) or ccw(c..) an arc to the next point about the centre after c; other vN are vias at no path point)
+3.3V: C1.1 C2.1 C9.1 C10.1 J1.13 J1.18 R1.2 R2.2 R3.2 U1.1 | length 2002.5
  Top w15: J1.13@1355.86,4159.01 J1.13@1355.91,4159.06
  Top w40: v1(1248.97,4158.97) v1(1248.97,4158.97) 1246.19,4156.19 1190,4156.19 ; 1277.04,4299.79 1250,4272.74 v1(1250,4270) 1248.59,4270 1190,4211.41 1190,4156.19 ; v1(1604.5,3020) v1(1604.5,3131) v1(1604.5,3230) v1@1604.5,3564.5 ; v1(1604.5,3570) 1604.5,3665.5 1550,3720 1270,3720 1180,3810 1180,4087.26 1190,4097.26 1190,4156.19
  Bottom w15: C1.1@1204.53,4150 1212.81,4158.28 1213.84,4157.25 1247.25,4157.25 v1(1248.97,4158.97) ; C2.1@1204.53,4250 1204.53,4251.3 1214.06,4260.83 1238.4,4260.83 1247.56,4270 v1(1250,4270) ; v1@1604.5,3021.72 1668.28,3021.72 R1.2@1670,3020 ; v1(1604.5,3131) 1606.22,3129.28 1665.21,3129.28 R2.2@1669.49,3125 ; v1(1604.5,3230) 1605.3,3229.2 1649.2,3229.2 R3.2@1650,3228.39
  Bottom w30: C9.1@1648.03,3570.47 C9.1@1650,3570.47 C9.1@1649.53,3570 ; C10.1@1749.21,3569.68 C10.1@1750,3570.47
  other v1: 1604.5,3600
+3.3V_EN: R1.1 R8.1 SW1.1 | length 822
  Bottom w8: SW1.1@1550,3300 1550,3110 1586.16,3073.84 1684.82,3073.84 1730.51,3028.15 R1.1@1730.51,3025.86 ; R1.1@1730.51,3025 R1.1@1730.51,3025.86 ; R8.1@1953.9,3309.49 1950.75,3309.49 1911.27,3270 1850,3270 1810,3230 1810,3104.49 1745.8,3040.29 1744.94,3040.29 R1.1@1730.51,3025.86
+3.3V_SW: C5.1 C6.1 C7.1 C8.1 C11.1 C12.1 C13.1 C14.1 C15.1 C16.1 C17.1 C19.1 C20.1 C21.1 C22.1 C23.1 C24.1 C25.1 C26.1 C27.1 C28.1 C35.1 C415.1 C416.2 R7.2 R17.2 R23.2 R24.2 R25.1 R26.1 R27.2 R32.2 R33.2 R34.2 R35.2 R36.2 R37.2 R38.2 R39.2 R49.2 R53.2 R54.2 R55.2 R56.2 R57.2 R58.2 R64.2 R539.2 TP3.1 U1.6 U2.8 U3.5 U4.8 U5.8 U6.5 U7.5 U7.6 U8.8 U9.2 U9.16 U10.1 U10.8 U11.5 U46.1 U46.16 | length 20353.2
  Top w15: v1(1170,2920) 1170.26,2919.74 1224.74,2919.74 R7.2@1225,2919.49 ; R39.2@1544.49,2320 1544.74,2320.26 1544.74,2389.74 v1(1545,2390) ; v1(1575,2825) R57.2@1619.49,2825 ; v1(1840,4200) 1841.72,4201.72 1841.72,4247.23 R54.2@1844.49,4250 ; U4.8@2150,4193.7 2151.77,4195.47 C16.1@2375,4195.47 2418.04,4195.47 2422.56,4200 v1(2425,4200) ; v1(2650,3475) R58.2@2694.49,3475 ; v1(2650,3575) R56.2@2689.25,3575 ; R38.2@2700,2380.51 v1(2700,2430) ; v1(2825,2755) R35.2@2825,2794.49 ; U10.8@2868.7,3450 2870,3448.7 v1(2870,3420) ; C7.1@2879.53,3200 2879.76,3199.76 2879.76,3140.24 v1(2880,3140) ; C8.1@2879.53,3325 2879.53,3376.71 2891.09,3388.28 2898.28,3388.28 v1(2900,3390) ; v1(2925,2755) R34.2@2925,2794.49 ; U10.1@3081.3,3450 3100,3450 3120.47,3429.53 C5.1@3200,3429.53 C6.1@3300,3429.53 3300.24,3429.76 3354.76,3429.76 v1(3355,3430) ; U2.8@3250,4193.7 3250,4183.84 3254.31,4179.53 C13.1@3325,4179.53 C12.1@3425,4179.53 3427.81,4176.72 3473.28,4176.72 v1(3475,4175) ; R23.2@3290,3734.88 3290.06,3734.94 3332.51,3734.94 3347.56,3750 v1(3350,3750) ; v1(3590,3340) 3588.28,3338.28 3588.28,3308.75 C20.1@3579.53,3300 3579.53,3200 3670.69,3200 3675,3204.31 U5.8@3675,3206.3 ; v1(3610,2790) 3611.72,2791.72 3647.23,2791.72 R55.2@3650,2794.49 ; R53.2@3624.88,4410 v1(3670,4410) ; TP3.1@3675,4100 v1(3875,4100) 3876.72,4098.28 3922.19,4098.28 ccw(c3928.97,4105.05) 3928.97,4095.47 C26.1@4025,4095.47 4033.86,4104.34 4044.34,4104.34 4059.37,4119.37 4111.44,4119.37 4111.61,4119.19 U8.8@4111.61,4111.42 ; v1(3860,3400) R24.2@3860,3444.49 ; v1(3950,3680) R25.1@3950,3719.49 ; v1(4200,3680) R26.1@4200,3719.49 ; R27.2@4355.51,4050 v1(4400,4050) ; R49.2@4375,2844.49 4469.49,2844.49 v1(4475,2850) ; U7.5@4375.87,3050 U7.6@4375.87,3087.4 4375.87,3140.11 4390.47,3154.72 4390.47,3300 4391.72,3301.25 4391.72,3348.28 v1(4390,3350)
  Top w30: U11.5@1762.39,2680 1792.37,2680 1817.37,2705 C35.1@1856.99,2705 1859.12,2707.13 1859.12,2749.12 v1(1860,2750)
  L2 w15: 4249.39,2700 4250,2700.61
  L2 w50: v1(1840,4200) 1981.69,4200 2041.69,4260 2130,4260 2190,4200 v1(2425,4200) 2870,4200 ; v1(1860,2750) 1900,2790 2620,2790 ; v1(2650,3475) v1(2650,3575) 2850,3575 2868.7,3593.7 ; v1(2750,3275) 2751.22,3276.22 2900,3276.22 ; v1(2845,3015) 2757.5,3015 ; v1(2850,4375) 2870,4355 2870,4200 ; v1(3080,2930) 3080,2840 2995,2755 v1(2925,2755) v1(2825,2755) 2780,2710 2700,2710 ; v1(3330,3120) 3425,3215 ; v1(3355,3430) 3410,3375 ; v1(3455,3375) 3410,3375 ; v1(3475,4175) 3475,4255 3630,4410 v1(3670,4410) 3810,4410 3875,4345 v1(3875,4100) 3925,4050 v1(4040,4050) 4420,4050 4470,4000 4470,3700 4390,3620 4260,3620 v1(4200,3680) 4140,3620 4010,3620 v1(3950,3680) 3885.4,3680 ; 3535,3215 3415,3215 3410,3210 3410,3375 ; 3540,2860 3540,3290 v1(3590,3340) ; v1@3543.54,2856.46 v1(3550,2850) v1(3610,2790) 3649.93,2750.07 ; v1(3860,3400) 3862.44,3400 3991.35,3271.08 3996.08,3271.08 ; v1(3880,3750) 3880,3685.4 3885.4,3680 ; v1(4110,3385) 3996.08,3271.08 ; v1(4390,3350) 4510,3350 4550,3310 4550,2920 4330,2700 4249.39,2700 3990,2700 ; 2620,2790 2700,2710 ; 2620,2790 2660,2790 2660,2870 2757.5,2967.5 2757.5,3015 ; 2700,2710 v1(2700,2430) 2920,2430 3080,2590 3120,2590 3200,2670 3569.87,2670 3649.93,2750.07 ; 2757.5,3015 2757.5,3082.5 2815,3140 v1(2880,3140) 2900,3160 2900,3276.22 ; 2868.7,3593.7 2868.7,3421.3 v1(2900,3390) 2900,3276.22 ; 2868.7,3593.7 2975,3700 v1(2975,3725) ; 2870,4200 2870,3970 2975,3865 v1(2975,3725) ; v1(2975,3725) 3000,3750 v1(3350,3750) 3400,3800 3600,3800 3720,3680 3885.4,3680 ; 3649.93,2750.07 3700,2700 3990,2700 ; 3990,2700 3990,3265 3996.08,3271.08
  Bottom w15: v1(2750,3275) R32.2@2794.49,3275 ; v1(2845,3015) 2847.44,3015 2851.92,3019.49 R36.2@2900,3019.49 ; v1(2850,4375) 2852.44,4375 2856.96,4370.47 C14.1@2900,4370.47 C15.1@2990,4370.47 ; R33.2@2969.49,3775 2975,3769.49 v1(2975,3725) ; U3.5@2990,4273.31 C15.1@2990,4370.47 ; C15.1@3000,4370.47 C15.1@2990,4370.47 ; v1(3080,2930) 3079.76,2929.76 3079.76,2875.24 C21.1@3079.53,2875 C22.1@3079.53,2775 3130.08,2775 3156.65,2801.57 U6.5@3212.6,2801.57 ; R37.2@3096.45,3755.51 R37.2@3100,3755.51 3103.79,3751.72 3148.28,3751.72 v1(3150,3750) ; v1@3157.95,3755.51 R539.2@3200,3755.51 ; U46.1@3325,3193.7 3328.28,3190.42 3328.28,3121.72 v1(3330,3120) ; U46.16@3325,3556.3 3325,3535.3 3330.3,3530 C415.1@3450.47,3530 C416.2@3450.47,3430 3453.28,3427.19 3453.28,3376.72 v1(3455,3375) ; v1@3550,2855.51 R17.2@3650,2855.51 ; v1(3880,3750) 3879.76,3749.76 3879.76,3700.24 C28.1@3879.53,3700 C27.1@3879.53,3600 3994.7,3600 4000,3605.3 U9.16@4000,3618.7 ; v1(4040,4050) 4040,4047.56 4044.7,4042.86 4044.7,3986.59 U9.2@4050,3981.3 ; v1(4110,3385) 4111.97,3385 4146.45,3419.49 R64.2@4150,3419.49
  Bottom w30: v1(1170,2920) 1319.31,2770.69 ; 1420,2871.38 1420,3455 1491.43,3526.43 1539.9,3526.43 C11.1@1540,3526.54 ; v1(1545,2390) 1495,2440 1495,2595 ; v1(1575,2825) 1518.62,2881.38 1430,2881.38 1319.31,2770.69 ; v1(1860,2750) 1790,2750 1635,2595 1495,2595 ; 1319.31,2770.69 1495,2595